# Altium PCB Archimajor.PcbDoc (part 1 of 12) (continued)
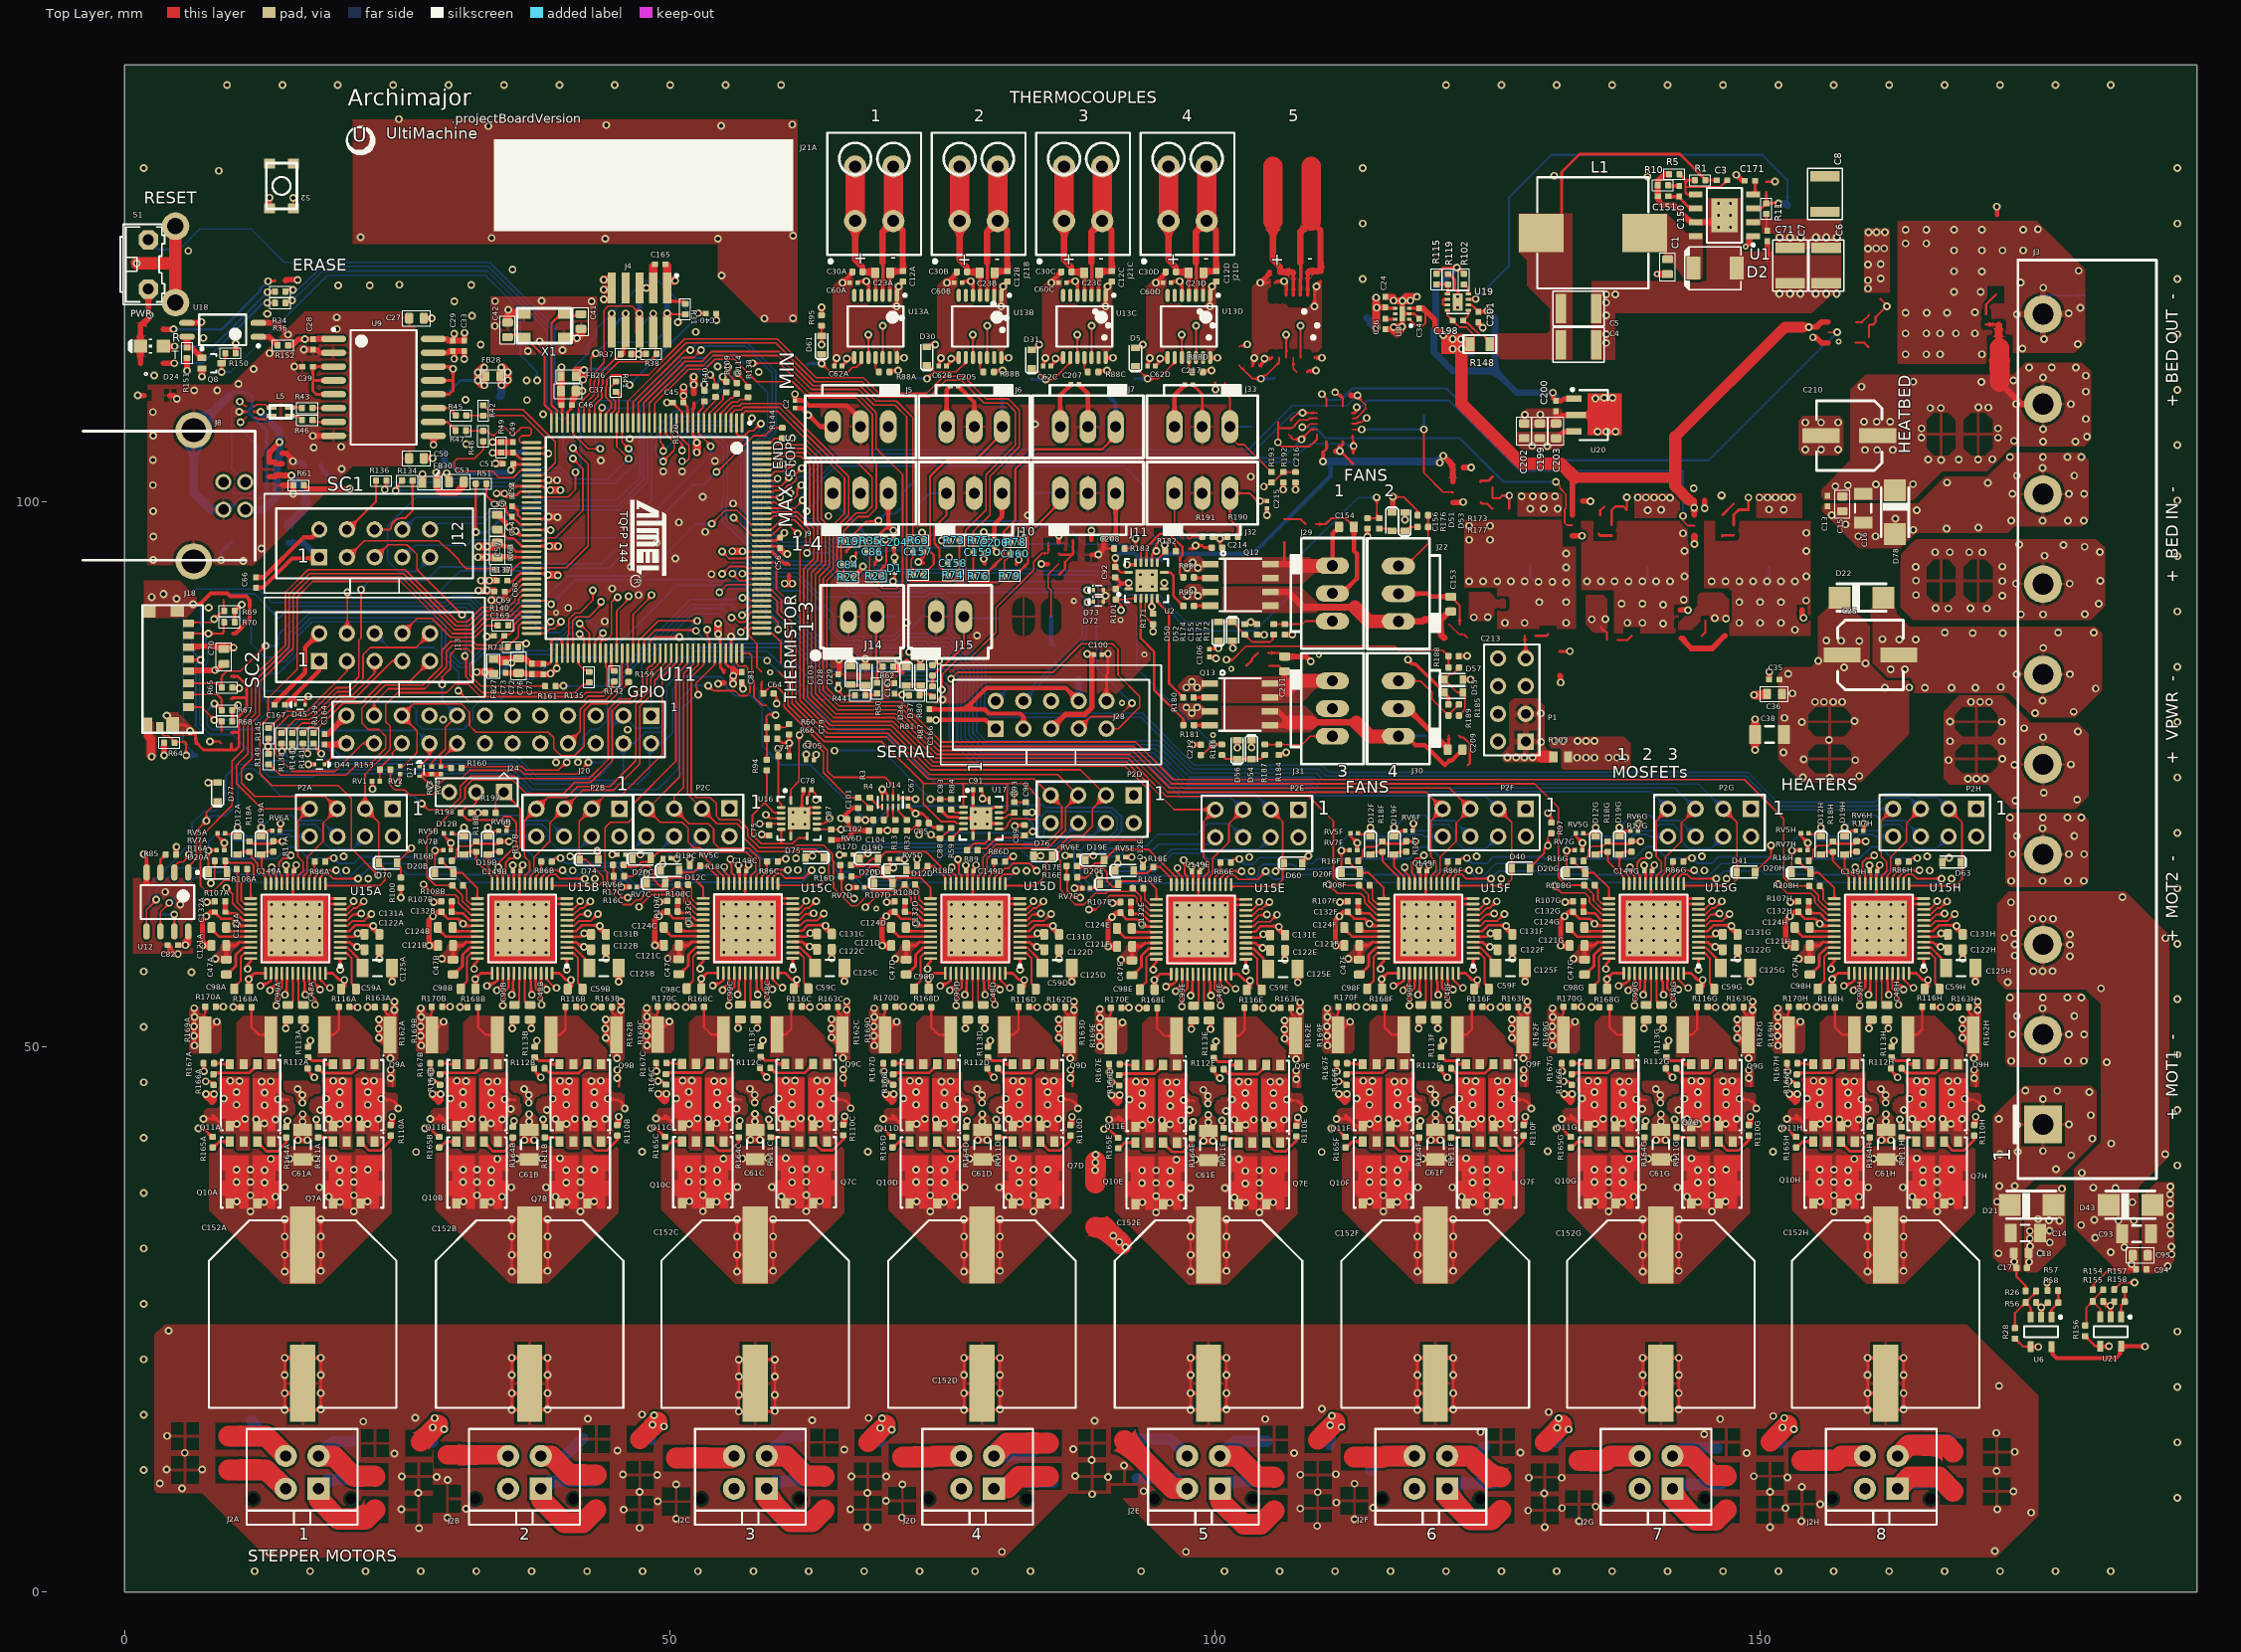
[diagram p0: Top Layer view]
## Classes and differential pairs
channel class Thermocouples: TA TB TC TD TE
component class TE: TP11E TP23E TP24E
component class TD: C12D C23D C30D C60D C62D J21D R88D TP11D TP23D TP24D U13D
component class TC: C12C C23C C30C C60C C62C J21C R88C TP11C TP23C TP24C U13C
component class TB: C12B C23B C30B C60B C62B J21B R88B TP11B TP23B TP24B U13B
component class TA: C12A C23A C30A C60A C62A J21A R88A TP11A TP23A TP24A U13A
channel class Motors: MA MB MC MD ME MF MG MH
component class MH: C47H C48H C59H C61H C98H C99H C121H C122H C124H C125H C131H C132H C149H C152H D12H D19H D20H J2H P2H Q7H Q9H Q10H Q11H R16H R17H R18H R86H R107H R108H R110H R111H R112H R113H R116H R162H R163H R164H R165H R166H R167H R168H R169H R170H RV5H RV6H RV7H TP3H TP12H TP34H TP41H U15H
component class MG: C47G C48G C59G C61G C98G C99G C121G C122G C124G C125G C131G C132G C149G C152G D12G D19G D20G J2G P2G Q7G Q9G Q10G Q11G R16G R17G R18G R86G R107G R108G R110G R111G R112G R113G R116G R162G R163G R164G R165G R166G R167G R168G R169G R170G RV5G RV6G RV7G TP3G TP12G TP34G TP41G U15G
component class MF: C47F C48F C59F C61F C98F C99F C121F C122F C124F C125F C131F C132F C149F C152F D12F D19F D20F J2F P2F Q7F Q9F Q10F Q11F R16F R17F R18F R86F R107F R108F R110F R111F R112F R113F R116F R162F R163F R164F R165F R166F R167F R168F R169F R170F RV5F RV6F RV7F TP3F TP12F TP34F TP41F U15F
component class ME: C47E C48E C59E C61E C98E C99E C121E C122E C124E C125E C131E C132E C149E C152E D12E D19E D20E J2E P2E Q7E Q9E Q10E Q11E R16E R17E R18E R86E R107E R108E R110E R111E R112E R113E R116E R162E R163E R164E R165E R166E R167E R168E R169E R170E RV5E RV6E RV7E TP3E TP12E TP34E TP41E U15E
component class MD: C47D C48D C59D C61D C98D C99D C121D C122D C124D C125D C131D C132D C149D C152D D12D D19D D20D J2D P2D Q7D Q9D Q10D Q11D R16D R17D R18D R86D R107D R108D R110D R111D R112D R113D R116D R162D R163D R164D R165D R166D R167D R168D R169D R170D RV5D RV6D RV7D TP3D TP12D TP34D TP41D U15D
component class MC: C47C C48C C59C C61C C98C C99C C121C C122C C124C C125C C131C C132C C149C C152C D12C D19C D20C J2C P2C Q7C Q9C Q10C Q11C R16C R17C R18C R86C R107C R108C R110C R111C R112C R113C R116C R162C R163C R164C R165C R166C R167C R168C R169C R170C RV5C RV6C RV7C TP3C TP12C TP34C TP41C U15C
component class MB: C47B C48B C59B C61B C98B C99B C121B C122B C124B C125B C131B C132B C149B C152B D12B D19B D20B J2B P2B Q7B Q9B Q10B Q11B R16B R17B R18B R86B R107B R108B R110B R111B R112B R113B R116B R162B R163B R164B R165B R166B R167B R168B R169B R170B RV5B RV6B RV7B TP3B TP12B TP34B TP41B U15B
component class MA: C47A C48A C59A C61A C98A C99A C121A C122A C124A C125A C131A C132A C149A C152A D12A D19A D20A J2A P2A Q7A Q9A Q10A Q11A R16A R17A R18A R86A R107A R108A R110A R111A R112A R113A R116A R162A R163A R164A R165A R166A R167A R168A R169A R170A RV5A RV6A RV7A TP3A TP12A TP34A TP41A U15A
net class "Can bus": PA0_CANTX0 PA1_CANRX0
net class SD: MCCDA MCCK MCDA0 MCDA1 MCDA2 MCDA3 SDCD
net class SPI: PA25_MISO PA26_MOSI PA27_SCLK PA29_CS SPIFLASH_CS

## Components (designator, comment, footprint, x,y, rotation, side; value= is the part's Value field where it differs from the comment)
C1 "100nF" C0603 141.479,121.523 r90 top
C2 "100nF" "C0201 Large Pads" 61.471,108.902 r270 top
C3 "10pF" C0402#1 146.466,129.448 r180 top
C4 "47uF" C1210 133.329,117.673 r180 top
C5 "47uF" C1210 133.329,114.348 r180 top
C6 "4.7uF" C1210 156.029,121.623 r90 top
C7 "4.7uF" C1210 152.704,121.623 r90 top
C8 "4.7uF" C1210 155.904,128.173 r90 top (schematic designator C6)
C12A "10nF" C0402#2 71.374,120.631 r270 top (schematic designator C12)
C12B "10nF" C0402#2 80.949,120.631 r270 top (schematic designator C12)
C12C "10nF" C0402#2 90.525,120.631 r270 top (schematic designator C12)
C12D "10nF" C0402#2 100.101,120.631 r270 top (schematic designator C12)
C13 "1nF" C0402#1 156.138,100.044 r270 top
C14 "10uF" C1206#1 174.28,32.909 r180 top
C15 "100nF" C0603 157.505,99.767 r270 top
C16 "10uF" C1206#2 159.407,99.371 r90 top
C17 "1nF" C0402#2 173.943,29.72 r0 top
C18 "100nF" C0603 173.904,31.087 r0 top
C23A "100nF" C0603 69.515,120.961 r0 top (schematic designator C23)
C23B "100nF" C0603 79.091,120.961 r0 top (schematic designator C23)
C23C "100nF" C0603 88.666,120.961 r0 top (schematic designator C23)
C23D "100nF" C0603 98.242,120.961 r0 top (schematic designator C23)
C24 "1uF" C0402#1 115.617,118.281 r90 top
C25 "UWT1V101MCL1GS" CAP-ELEC-063063077 160.081,85.918 r180 top value=100uF
C26 "100nF" C0402#1 115.592,116.275 r270 top
C27 "C0603TBD" C0603 26.772,116.803 r0 top
C28 "100nF" C0402#1 17.272,114.39 r270 top
C29 "100nF" C0402#1 30.124,114.263 r270 top
C30A "10nF" C0402#2 67.208,121.038 r0 top (schematic designator C30)
C30B "10nF" C0402#2 76.784,121.038 r0 top (schematic designator C30)
C30C "10nF" C0402#2 86.36,121.038 r0 top (schematic designator C30)
C30D "10nF" C0402#2 95.935,121.038 r0 top (schematic designator C30)
C33 "100nF" C0402#1 31.175,114.265 r270 top
C34 "1uF" C0402#1 118.716,117.24 r270 top
C35 "1nF" C0402#1 151.281,83.665 r180 top
C36 "100nF" C0603 151.281,82.341 r180 top
C37 "0603" C0603 40.694,110.111 r180 top value="10uF 6.3VDC"
C38 "10uF" C1206#2 150.829,78.627 r0 top
C39 "100nF" C0402#1 16.789,112.358 r180 top
C40 "10nF" C0402#1 53.763,117.235 r0 top
C41 "7pF" C0603 41.859,116.484 r90 top value=3pF
C42 "7pF" C0603 35.125,115.726 r270 top value=3pF
C45 "100nF" C0402#1 50.749,109.068 r180 top
C46 "100nF" C0402#1 40.564,108.852 r0 top
C47A "100nF" C0603 9.337,57.3 r90 top (schematic designator C47)
C47B "100nF" C0603 30.112,57.3 r90 top (schematic designator C47)
C47C "100nF" C0603 50.82,57.325 r90 top (schematic designator C47)
C47D "100nF" C0603 71.662,57.3 r90 top (schematic designator C47)
C47E "100nF" C0603 92.37,57.225 r90 top (schematic designator C47)
C47F "100nF" C0603 113.212,57.3 r90 top (schematic designator C47)
C47G "100nF" C0603 133.863,57.3 r90 top (schematic designator C47)
C47H "100nF" C0603 154.513,57.3 r90 top (schematic designator C47)
C48A "220nF" C0603 16.412,53.15 r270 top (schematic designator C48)
C48B "220nF" C0603 37.187,53.15 r270 top (schematic designator C48)
C48C "220nF" C0603 57.895,53.175 r270 top (schematic designator C48)
C48D "220nF" C0603 78.737,53.15 r270 top (schematic designator C48)
C48E "220nF" C0603 99.445,53.075 r270 top (schematic designator C48)
C48F "220nF" C0603 120.287,53.15 r270 top (schematic designator C48)
C48G "220nF" C0603 140.938,53.15 r270 top (schematic designator C48)
C48H "220nF" C0603 161.588,53.15 r270 top (schematic designator C48)
C49 "0402" C0402#1 35.611,104.941 r90 top value=10pF
C50 "C0603TBD" C0603 26.772,103.95 r0 top
C51 "100nF" C0402#1 35.179,103.468 r180 top
C52 "100nF" C0402#1 35.535,100.991 r270 top
C53 "0603" C0603 30.428,101.778 r0 top value="10uF 6.3VDC"
C54 "100nF" C0402#1 35.535,99.06 r90 top
C55 "0603" C0603 34.188,98.095 r270 top value=10uF
C56 "100nF" C0402#1 60.124,96.196 r90 top
C57 "0603" C0603 34.188,95.53 r90 top value="10uF 6.3VDC"
C59A "220nF" C0603 20.549,55.284 r180 top (schematic designator C59)
C59B "220nF" C0603 41.324,55.284 r180 top (schematic designator C59)
C59C "220nF" C0603 62.031,55.308 r180 top (schematic designator C59)
C59D "220nF" C0603 82.874,55.284 r180 top (schematic designator C59)
C59E "220nF" C0603 103.581,55.208 r180 top (schematic designator C59)
C59F "220nF" C0603 124.424,55.284 r180 top (schematic designator C59)
C59G "220nF" C0603 145.074,55.284 r180 top (schematic designator C59)
C59H "220nF" C0603 165.724,55.284 r180 top (schematic designator C59)
C60A "100nF" "C0201 Large Pads" 66.858,120.052 r0 top (schematic designator C60)
C60B "100nF" "C0201 Large Pads" 76.434,120.052 r0 top (schematic designator C60)
C60C "100nF" "C0201 Large Pads" 86.01,120.052 r0 top (schematic designator C60)
C60D "100nF" "C0201 Large Pads" 95.586,120.052 r0 top (schematic designator C60)
C61A "4.7uF" C1206#1 16.332,41.009 r270 top (schematic designator C61)
C61B "4.7uF" C1206#1 37.107,41.009 r270 top (schematic designator C61)
C61C "4.7uF" C1206#1 57.815,41.033 r270 top (schematic designator C61)
C61D "4.7uF" C1206#1 78.657,41.009 r270 top (schematic designator C61)
C61E "4.7uF" C1206#1 99.365,40.933 r270 top (schematic designator C61)
C61F "4.7uF" C1206#1 120.207,41.009 r270 top (schematic designator C61)
C61G "4.7uF" C1206#1 140.857,41.009 r270 top (schematic designator C61)
C61H "4.7uF" C1206#1 161.508,41.009 r270 top (schematic designator C61)
C62A "100nF" "C0201 Large Pads" 65.44,112.409 r0 top (schematic designator C62)
C62B "100nF" "C0201 Large Pads" 75.016,112.409 r0 top (schematic designator C62)
C62C "100nF" "C0201 Large Pads" 84.591,112.409 r0 top (schematic designator C62)
C62D "100nF" "C0201 Large Pads" 94.167,112.409 r0 top (schematic designator C62)
C63 "100nF" C0402#1 35.408,95.352 r270 top
C64 "TBD" C0402#2 59.043,82.384 r180 top
C66 "100nF" C0402#1 12.04,92.571 r270 top
C67 "100nF" "C0201 Large Pads" 71.843,72.409 r90 top
C68 "100nF" C0402#1 34.646,92.736 r180 top
C69 "100nF" C0402#1 34.417,91.745 r180 top
C70 "0603" C0603 9.119,85.776 r270 top value=10uF
C71 "10nF" C0402#1 150.616,124.348 r90 top
C72 "0603" C0603 36.144,84.938 r90 top value="10uF 6.3VDC"
C73 "100nF" C0402#1 34.957,84.756 r270 top
C74 "TBD" C0402#2 60.443,76.634 r0 top
C75 "TBD" C0402#2 59.118,69.834 r270 top
C76 "100nF" C0402#1 37.372,84.645 r270 top
C77 "10nF" C0402#1 38.415,84.644 r270 top
C78 "100nF" "C0201 Large Pads" 62.618,73.559 r0 top
C79 "TBD" C0402#2 60.943,79.109 r270 top
C81 "100nF" C0402#1 56.617,83.871 r270 top
C82 "100nF" C0402#1 4.456,59.316 r180 top
C83 "TBD" C0402#2 74.793,72.209 r270 top
C84 "10nF" C0402#1 66.368,94.176 r0 top
C85 "TBD" C0402#2 73.268,70.509 r180 top
C86 "10nF" C0402#1 68.593,95.384 r0 top
C87 "TBD" C0402#2 64.793,69.434 r270 top
C88 "TBD" C0402#2 74.768,69.584 r90 top
C89 "TBD" C0402#2 82.518,69.834 r90 top
C90 "TBD" C0402#2 82.643,71.934 r270 top
C91 "100nF" "C0201 Large Pads" 78.168,73.559 r0 top
C92 "100nF" C0402#2 90.843,93.509 r90 top
C93 "10uF" C1206#2 184.483,32.85 r180 top
C94 "1nF" C0402#2 184.899,29.581 r0 top
C95 "100nF" C0603 184.82,30.869 r0 top
C98A "220nF" C0603 10.737,55.3 r0 top (schematic designator C98)
C98B "220nF" C0603 31.512,55.3 r0 top (schematic designator C98)
C98C "220nF" C0603 52.22,55.325 r0 top (schematic designator C98)
C98D "220nF" C0603 73.062,55.3 r0 top (schematic designator C98)
C98E "220nF" C0603 93.77,55.225 r0 top (schematic designator C98)
C98F "220nF" C0603 114.612,55.3 r0 top (schematic designator C98)
C98G "220nF" C0603 135.263,55.3 r0 top (schematic designator C98)
C98H "220nF" C0603 155.913,55.3 r0 top (schematic designator C98)
C99A "220nF" C0603 14.987,53.15 r270 top (schematic designator C99)
C99B "220nF" C0603 35.762,53.15 r270 top (schematic designator C99)
C99C "220nF" C0603 56.47,53.175 r270 top (schematic designator C99)
C99D "220nF" C0603 77.312,53.15 r270 top (schematic designator C99)
C99E "220nF" C0603 98.02,53.075 r270 top (schematic designator C99)
C99F "220nF" C0603 118.862,53.15 r270 top (schematic designator C99)
C99G "220nF" C0603 139.513,53.15 r270 top (schematic designator C99)
C99H "220nF" C0603 160.163,53.15 r270 top (schematic designator C99)
C100 "100nF" "C0201 Large Pads" 89.249,85.959 r180 top
C101 "TBD" C0402#2 67.268,72.355 r90 top
C102 "TBD" C0402#2 66.743,70.834 r0 top
C103 "100nF" C0402#1 65.444,83.661 r90 top
C104 "TBD" C0402#2 68.743,69.809 r0 top
C105 "100nF" "C0201 Large Pads" 62.843,76.259 r0 top
C106 "100nF" "C0201 Large Pads" 99.468,86.084 r90 top
C121A "100nF" C0603 8.662,59.275 r0 top (schematic designator C121)
C121B "100nF" C0603 29.437,59.275 r0 top (schematic designator C121)
C121C "100nF" C0603 50.145,59.3 r0 top (schematic designator C121)
C121D "100nF" C0603 70.987,59.275 r0 top (schematic designator C121)
C121E "100nF" C0603 91.695,59.2 r0 top (schematic designator C121)
C121F "100nF" C0603 112.537,59.275 r0 top (schematic designator C121)
C121G "100nF" C0603 133.188,59.275 r0 top (schematic designator C121)
C121H "100nF" C0603 153.838,59.275 r0 top (schematic designator C121)
C122A "100nF" C0603 22.687,58.9 r180 top (schematic designator C122)
C122B "100nF" C0603 43.462,58.9 r180 top (schematic designator C122)
C122C "100nF" C0603 64.17,58.925 r180 top (schematic designator C122)
C122D "100nF" C0603 85.012,58.9 r180 top (schematic designator C122)
C122E "100nF" C0603 105.72,58.825 r180 top (schematic designator C122)
C122F "100nF" C0603 126.562,58.9 r180 top (schematic designator C122)
C122G "100nF" C0603 147.213,58.9 r180 top (schematic designator C122)
C122H "100nF" C0603 167.863,58.9 r180 top (schematic designator C122)
C124A "22nF" C0603 8.637,60.925 r0 top (schematic designator C124)
C124B "22nF" C0603 29.412,60.925 r0 top (schematic designator C124)
C124C "22nF" C0603 50.12,60.95 r0 top (schematic designator C124)
C124D "22nF" C0603 70.962,60.925 r0 top (schematic designator C124)
C124E "22nF" C0603 91.67,60.85 r0 top (schematic designator C124)
C124F "22nF" C0603 112.512,60.925 r0 top (schematic designator C124)
C124G "22nF" C0603 133.163,60.925 r0 top (schematic designator C124)
C124H "22nF" C0603 153.813,60.925 r0 top (schematic designator C124)
C125A "4.7uF" C1206#1 23.187,57.2 r180 top (schematic designator C125)
C125B "4.7uF" C1206#1 43.962,57.2 r180 top (schematic designator C125)
C125C "4.7uF" C1206#1 64.67,57.225 r180 top (schematic designator C125)
C125D "4.7uF" C1206#1 85.512,57.2 r180 top (schematic designator C125)
C125E "4.7uF" C1206#1 106.22,57.125 r180 top (schematic designator C125)
C125F "4.7uF" C1206#1 127.062,57.2 r180 top (schematic designator C125)
C125G "4.7uF" C1206#1 147.713,57.2 r180 top (schematic designator C125)
C125H "4.7uF" C1206#1 168.363,57.2 r180 top (schematic designator C125)
C131A "4.7uF 6.3V 0603" C0603 22.687,60.3 r180 top value=4.7uF (schematic designator C131)
C131B "4.7uF 6.3V 0603" C0603 43.462,60.3 r180 top value=4.7uF (schematic designator C131)
C131C "4.7uF 6.3V 0603" C0603 64.17,60.325 r180 top value=4.7uF (schematic designator C131)
C131D "4.7uF 6.3V 0603" C0603 85.012,60.3 r180 top value=4.7uF (schematic designator C131)
C131E "4.7uF 6.3V 0603" C0603 105.72,60.225 r180 top value=4.7uF (schematic designator C131)
C131F "4.7uF 6.3V 0603" C0603 126.562,60.3 r180 top value=4.7uF (schematic designator C131)
C131G "4.7uF 6.3V 0603" C0603 147.213,60.3 r180 top value=4.7uF (schematic designator C131)
C131H "4.7uF 6.3V 0603" C0603 167.863,60.3 r180 top value=4.7uF (schematic designator C131)
C132A "0402" C0402#1 8.763,62.345 r0 top value=470nF (schematic designator C132)
C132B "0402" C0402#2 29.534,62.37 r0 top value=470nF (schematic designator C132)
C132C "0402" C0402#2 50.242,62.394 r0 top value=470nF (schematic designator C132)
C132D "0402" C0402#2 71.084,62.37 r0 top value=470nF (schematic designator C132)
C132E "0402" C0402#2 91.792,62.294 r0 top value=470nF (schematic designator C132)
C132F "0402" C0402#2 112.634,62.37 r0 top value=470nF (schematic designator C132)
C132G "0402" C0402#2 133.285,62.37 r0 top value=470nF (schematic designator C132)
C132H "0402" C0402#2 153.935,62.37 r0 top value=470nF (schematic designator C132)
C149A "100nF" "C0201 Large Pads" 15.187,66.1 r180 top (schematic designator C149)
C149B "100nF" "C0201 Large Pads" 35.962,66.1 r180 top (schematic designator C149)
C149C "100nF" "C0201 Large Pads" 56.67,66.125 r180 top (schematic designator C149)
C149D "100nF" "C0201 Large Pads" 77.512,66.1 r180 top (schematic designator C149)
C149E "100nF" "C0201 Large Pads" 98.22,66.025 r180 top (schematic designator C149)
C149F "100nF" "C0201 Large Pads" 119.062,66.1 r180 top (schematic designator C149)
C149G "100nF" "C0201 Large Pads" 139.713,66.1 r180 top (schematic designator C149)
C149H "100nF" "C0201 Large Pads" 160.363,66.1 r180 top (schematic designator C149)
C150 "2.2nF" C0402#1 142.554,128.44 r270 top
C151 "10pF" C0402#1 141.066,127.973 r0 top value=22pF
C152A "470uF" CAP16x17 16.345,25.477 r270 top (schematic designator C152)
C152B "470uF" CAP16x17 37.155,25.477 r270 top (schematic designator C152)
C152C "470uF" CAP16x17 57.823,25.477 r270 top (schematic designator C152)
C152D "470uF" CAP16x17 78.622,25.477 r270 top (schematic designator C152)
C152E "470uF" CAP16x17 99.391,25.477 r270 top (schematic designator C152)
C152F "470uF" CAP16x17 120.18,25.477 r270 top (schematic designator C152)
C152G "470uF" CAP16x17 140.859,25.477 r270 top (schematic designator C152)
C152H "470uF" CAP16x17 161.472,25.477 r270 top (schematic designator C152)
C153 "C0603TBD" C0603 121.618,90.584 r270 top
C154 "C0603TBD" C0603 112.043,97.659 r180 top
C155 "100nF" C0402#2 103.843,88.259 r270 top
C156 "100nF" C0402#2 113.968,97.984 r270 top
C157 "10nF" C0402#1 72.764,95.379 r0 top
C158 "10nF" C0402#1 75.975,94.311 r180 top
C159 "10nF" C0402#1 78.303,95.337 r0 top
C160 "10nF" C0402#1 81.696,95.206 r0 top
C161 "100nF" C0402#1 70.6,82.83 r90 top
C164 "100nF" C0402#1 18.339,78.195 r90 top
C165 "100nF" C0402#1 49.125,121.741 r0 top
C166 "100nF" C0402#1 73.794,80.46 r270 top
C167 "100nF" C0402#1 14.225,81.331 r0 top
C169 "100nF" C0402#1 34.366,87.658 r180 top
C171 "10nF" C0402#1 149.016,129.398 r0 top
C198 "C0402TBD" C0402#1 122.249,116.574 r0 top
C199 "100nF" C0603 129.772,106.464 r90 top
C200 "100nF" C0402#1 131.224,108.748 r90 top
C201 "100nF" C0402#1 124.129,116.904 r90 top
C202 "100nF" C0603 128.324,106.464 r90 top
C203 "100nF" C0603 131.249,106.462 r90 top
C204 "100nF" "C0201 Large Pads" 70.557,96.231 r90 top
C205 "100nF" "C0201 Large Pads" 76.075,110.581 r180 top
C206 "100nF" "C0201 Large Pads" 79.757,96.181 r90 top
C207 "100nF" "C0201 Large Pads" 87.15,110.731 r180 top
C208 "100nF" "C0201 Large Pads" 90.125,96.61 r0 top
C209 "C0603TBD" C0603 121.993,77.234 r0 top
C210 "UWT1V101MCL1GS" CAP-ELEC-063063077 158.139,106.027 r0 top value=100uF
C211 "C0603TBD" C0603 106.368,85.084 r270 top
C212 "100nF" C0402#2 98.693,77.209 r90 top
C213 "100nF" C0402#2 121.868,85.809 r0 top
C214 "10nF" C0402#2 100.168,95.759 r180 top
C215 "100nF" "C0201 Large Pads" 104.743,99.692 r90 top
C216 "10nF" C0402#2 107.368,102.209 r270 top
C217 "100nF" "C0201 Large Pads" 97.593,110.709 r180 top
D1 "ESD9X3.3ST5G" SOD923-100X40-2N 70.632,93.881 r90 top value=3.3V
D2 "SK54B-LTP" SMB_DO-214AA_LRG 145.83,121.379 r0 top
D5 "BAT54" SOD523_IPC 92.69,113.234 r90 top
D12A "BAT54" SOD523_IPC 10.362,68.45 r270 top (schematic designator D12)
D12B "BAT54" SOD523_IPC 31.137,68.45 r270 top (schematic designator D12)
D12C "BAT54" SOD523_IPC 49.998,66.176 r0 top (schematic designator D12)
D12D "BAT54" SOD523_IPC 70.823,66.201 r0 top (schematic designator D12)
D12E "BAT54" SOD523_IPC 91.673,66.151 r0 top (schematic designator D12)
D12F "BAT54" SOD523_IPC 114.237,68.45 r270 top (schematic designator D12)
D12G "BAT54" SOD523_IPC 134.888,68.45 r270 top (schematic designator D12)
D12H "BAT54" SOD523_IPC 155.538,68.45 r270 top (schematic designator D12)
D19A "BAT54" SOD523_IPC 12.537,68.45 r270 top (schematic designator D19)
D19B "BAT54" SOD523_IPC 33.312,68.45 r270 top (schematic designator D19)
D19C "BAT54" SOD523_IPC 47.418,67.219 r0 top (schematic designator D19)
D19D "BAT54" SOD523_IPC 68.26,67.245 r0 top (schematic designator D19)
D19E "BAT54" SOD523_IPC 88.968,67.119 r0 top (schematic designator D19)
D19F "BAT54" SOD523_IPC 116.412,68.45 r270 top (schematic designator D19)
D19G "BAT54" SOD523_IPC 137.063,68.45 r270 top (schematic designator D19)
D19H "BAT54" SOD523_IPC 157.713,68.45 r270 top (schematic designator D19)
D20A "BAT54" SOD523_IPC 8.545,65.935 r0 top (schematic designator D20)
D20B "BAT54" SOD523_IPC 29.32,65.935 r0 top (schematic designator D20)
D20C "BAT54" SOD523_IPC 48.733,64.984 r0 top (schematic designator D20)
D20D "BAT54" SOD523_IPC 69.573,65.001 r0 top (schematic designator D20)
D20E "BAT54" SOD523_IPC 90.273,64.926 r0 top (schematic designator D20)
D20F "BAT54" SOD523_IPC 112.42,65.935 r0 top (schematic designator D20)
D20G "BAT54" SOD523_IPC 133.07,65.935 r0 top (schematic designator D20)
D20H "BAT54" SOD523_IPC 153.72,65.935 r0 top (schematic designator D20)
D21 "SMAJ24A" SMA-SM 174.835,35.485 r0 top
D22 "SMAJ24A" SMA-SM 159.25,91.175 r0 top
D24 "Red" LED2012120 2.532,114.231 r180 top
D28 "BAT54" SOD523_IPC 66.612,84.042 r270 top
D29 "BAT54" SOD523_IPC 67.984,84.017 r90 top
D30 "BAT54" SOD523_IPC 73.565,113.309 r90 top
D31 "BAT54" SOD523_IPC 83.19,113.034 r90 top
D36 "BAT54" SOD523_IPC 71.667,83.973 r270 top
D37 "BAT54" SOD523_IPC 73.013,83.973 r90 top
D40 "BAT54" SOD523_IPC 128.033,66.355 r0 top
D41 "BAT54" SOD523_IPC 148.656,66.005 r0 top
D43 "SMAJ24A" SMA-SM 183.909,35.485 r0 top
D44 "ESD9X3.3ST5G" SOD923-D 17.897,75.886 r180 top value=3.3V
D45 "DF2S6.8FS,L3M" SOD923-D 16.122,81.361 r0 top value=5V
D50 "BAT54" SOD523_IPC 100.293,88.084 r90 top
D51 "BAT54" SOD523_IPC 116.218,98.134 r270 top
D52 "BAT54" SOD523_IPC 101.593,88.084 r270 top
D53 "BAT54" SOD523_IPC 117.393,98.134 r90 top
D54 "BAT54" SOD523_IPC 103.331,77.234 r270 top
D55 "BAT54" SOD523_IPC 121.868,82.484 r0 top
D56 "BAT54" SOD523_IPC 102.028,77.234 r90 top
D57 "BAT54" SOD523_IPC 121.868,83.659 r0 top
D60 "BAT54" SOD523_IPC 107.14,66.828 r0 top
D61 "BAT54" SOD523_IPC 63.915,114.334 r90 top
D63 "BAT54" SOD523_IPC 167.518,66.91 r180 top
D70 "BAT54" SOD523_IPC 24.15,66.861 r0 top
D71 "ESD9X3.3ST5G" SOD923-100X40-2N 27.05,75.235 r270 top value=3.3V
D72 "ESD9X3.3ST5G" SOD923-100X40-2N 89.307,90.816 r0 top value=3.3V
D73 "ESD9X3.3ST5G" SOD923-100X40-2N 89.307,91.866 r0 top value=3.3V
D74 "BAT54" SOD523_IPC 42.596,67.154 r0 top
D75 "BAT54" SOD523_IPC 63.292,67.334 r180 top
D76 "BAT54" SOD523_IPC 84.193,67.509 r180 top
D77 "BAT54" SOD523_IPC 8.543,73.359 r90 top
D78 "SMAJ24A" SMA-SM 162.32,99.014 r270 top
FB26 "120R" FB0603 40.691,111.469 r0 top value=120Rfb
FB27 "120R" FB0603 33.857,84.881 r90 top value=120Rfb
FB28 "120R" FB0603 33.779,111.467 r180 top value=120Rfb
FB30 "120R" FB0603 27.997,101.691 r0 top value=120Rfb
J2A "43045-0412" 43045-0412 16.291,10.97 r180 top (schematic designator J2)
J2B "43045-0412" 43045-0412 36.675,10.97 r180 top (schematic designator J2)
J2C "43045-0412" 43045-0412 57.383,10.97 r180 top (schematic designator J2)
J2D "43045-0412" 43045-0412 78.225,10.97 r180 top (schematic designator J2)
J2E "43045-0412" 43045-0412 98.933,10.97 r180 top (schematic designator J2)
J2F "43045-0412" 43045-0412 119.775,10.97 r180 top (schematic designator J2)
J2G "43045-0412" 43045-0412 140.426,10.97 r180 top (schematic designator J2)
J2H "43045-0412" 43045-0412 161.076,10.97 r180 top (schematic designator J2)
J3 "4DB-P108-10" CON-Barrier-10-8.26mm 179.959,63.501 r90 top
J4 "0.05in 2-Row" FTSH-105-XX-X-DV 47.219,117.549 r0 top value=HDR10
J5 "Molex 70543-03" "70543-02 PIN-IN-PASTE" 67.488,106.846 r180 top locked value=HDR3
J6 "Molex 70543-03" "70543-02 PIN-IN-PASTE" 77.914,106.846 r180 top locked value=HDR3
J7 "Molex 70543-03" "70543-02 PIN-IN-PASTE" 88.341,106.846 r180 top locked value=HDR3
J8 "USB-B" PN61729 6.35,100.521 r270 top value="USB B"
J9 "Molex 70543-03" "70543-02 PIN-IN-PASTE" 67.488,100.75 r0 top locked value=HDR3
J10 "Molex 70543-03" "70543-02 PIN-IN-PASTE" 77.914,100.75 r0 top locked value=HDR3
J11 "Molex 70543-03" "70543-02 PIN-IN-PASTE" 88.341,100.75 r0 top locked value=HDR3
J12 "HDR10" "HDR2X5 IDC" 22.936,96.151 r0 top
J13 "HDR10" "HDR2X5 IDC" 22.936,86.627 r0 top
J14 "CONN 2PIN VERT 0.1\" SHRD LOCKING PIP" "70543-01 PIN-IN-PASTE" 67.64,89.421 r0 top value=HDR2
J15 "CONN 2PIN VERT 0.1\" SHRD LOCKING PIP" "70543-01 PIN-IN-PASTE" 75.692,89.421 r0 top value=HDR2
J18 "0475710001" "SD_MICRO 475710001" 4.425,84.976 r270 top value="SD Conn"
J20 "Header 12X2" HDR2X12 48.285,80.354 r180 top value=HDR24
J21A "1864286" 1864286 68.745,128.208 r0 top (schematic designator J21)
J21B "1864286" 1864286 78.321,128.208 r0 top (schematic designator J21)
J21C "1864286" 1864286 87.897,128.208 r0 top (schematic designator J21)
J21D "1864286" 1864286 97.472,128.208 r0 top (schematic designator J21)
J22 "Molex 70543-03" "70543-02 PIN-IN-PASTE" 116.8,91.535 r90 top locked value=HDR3
J24 "Header 3x1" HDR3X1 32.25,73.34 r180 top value=JMP
J28 "HDR10" "HDR2X5 IDC" 84.957,80.426 r0 top
J29 "Molex 70543-03" "70543-02 PIN-IN-PASTE" 110.75,91.56 r270 top locked value=HDR3
J30 "Molex 70543-03" "70543-02 PIN-IN-PASTE" 116.8,81 r90 top locked value=HDR3
J31 "Molex 70543-03" "70543-02 PIN-IN-PASTE" 110.75,81 r270 top locked value=HDR3
J32 "Molex 70543-03" "70543-02 PIN-IN-PASTE" 98.815,100.75 r0 top locked value=HDR3
J33 "Molex 70543-03" "70543-02 PIN-IN-PASTE" 98.815,106.846 r180 top locked value=HDR3
L1 "4.7uH" IND_10X10 134.629,124.623 r180 top
L5 "DLW21HN900SQ2L" DLW21HN900SQ2L 14.326,108.213 r180 top value=90R
P1 "Header 4X2" HDR2X4 128.475,77.98 r90 top value=HDR8
P2A "Header 4X2" HDR2X4 24.605,71.81 r180 top (schematic designator P2)
P2B "Header 4X2" HDR2X4 45.38,71.81 r180 top (schematic designator P2)
P2C "Header 4X2" HDR2X4 55.473,71.834 r180 top (schematic designator P2)
P2D "Header 4X2" HDR2X4 92.533,73.049 r180 top (schematic designator P2)
P2E "Header 4X2" HDR2X4 107.638,71.734 r180 top (schematic designator P2)
P2F "Header 4X2" HDR2X4 128.48,71.81 r180 top (schematic designator P2)
P2G "Header 4X2" HDR2X4 149.13,71.81 r180 top (schematic designator P2)
P2H "Header 4X2" HDR2X4 169.78,71.81 r180 top (schematic designator P2)
Q7A "NVMFD5C478NT1G" "SO8FL-Dual (DFN8 5x6, 1.26P Dual Flag)" 21.019,38.46 r180 top (schematic designator Q7)
Q7B "NVMFD5C478NT1G" "SO8FL-Dual (DFN8 5x6, 1.26P Dual Flag)" 41.794,38.46 r180 top (schematic designator Q7)
Q7C "NVMFD5C478NT1G" "SO8FL-Dual (DFN8 5x6, 1.26P Dual Flag)" 62.501,38.485 r180 top (schematic designator Q7)
Q7D "NVMFD5C478NT1G" "SO8FL-Dual (DFN8 5x6, 1.26P Dual Flag)" 83.344,38.46 r180 top (schematic designator Q7)
Q7E "NVMFD5C478NT1G" "SO8FL-Dual (DFN8 5x6, 1.26P Dual Flag)" 104.051,38.385 r180 top (schematic designator Q7)
Q7F "NVMFD5C478NT1G" "SO8FL-Dual (DFN8 5x6, 1.26P Dual Flag)" 124.894,38.46 r180 top (schematic designator Q7)
Q7G "NVMFD5C478NT1G" "SO8FL-Dual (DFN8 5x6, 1.26P Dual Flag)" 145.544,38.46 r180 top (schematic designator Q7)
Q7H "NVMFD5C478NT1G" "SO8FL-Dual (DFN8 5x6, 1.26P Dual Flag)" 166.194,38.46 r180 top (schematic designator Q7)
Q8 "MMBT3904" "SOT523 SMALL" 8.002,112.664 r0 top value=NPN
Q9A "NVMFD5C478NT1G" "SO8FL-Dual (DFN8 5x6, 1.26P Dual Flag)" 21.019,45.56 r180 top (schematic designator Q9)
Q9B "NVMFD5C478NT1G" "SO8FL-Dual (DFN8 5x6, 1.26P Dual Flag)" 41.794,45.56 r180 top (schematic designator Q9)
Q9C "NVMFD5C478NT1G" "SO8FL-Dual (DFN8 5x6, 1.26P Dual Flag)" 62.501,45.585 r180 top (schematic designator Q9)
Q9D "NVMFD5C478NT1G" "SO8FL-Dual (DFN8 5x6, 1.26P Dual Flag)" 83.344,45.56 r180 top (schematic designator Q9)
Q9E "NVMFD5C478NT1G" "SO8FL-Dual (DFN8 5x6, 1.26P Dual Flag)" 104.051,45.485 r180 top (schematic designator Q9)
Q9F "NVMFD5C478NT1G" "SO8FL-Dual (DFN8 5x6, 1.26P Dual Flag)" 124.894,45.56 r180 top (schematic designator Q9)
Q9G "NVMFD5C478NT1G" "SO8FL-Dual (DFN8 5x6, 1.26P Dual Flag)" 145.544,45.56 r180 top (schematic designator Q9)
Q9H "NVMFD5C478NT1G" "SO8FL-Dual (DFN8 5x6, 1.26P Dual Flag)" 166.194,45.56 r180 top (schematic designator Q9)
Q10A "NVMFD5C478NT1G" "SO8FL-Dual (DFN8 5x6, 1.26P Dual Flag)" 11.557,38.46 r180 top (schematic designator Q10)
Q10B "NVMFD5C478NT1G" "SO8FL-Dual (DFN8 5x6, 1.26P Dual Flag)" 32.332,38.46 r180 top (schematic designator Q10)
Q10C "NVMFD5C478NT1G" "SO8FL-Dual (DFN8 5x6, 1.26P Dual Flag)" 53.04,38.485 r180 top (schematic designator Q10)
Q10D "NVMFD5C478NT1G" "SO8FL-Dual (DFN8 5x6, 1.26P Dual Flag)" 73.882,38.46 r180 top (schematic designator Q10)
Q10E "NVMFD5C478NT1G" "SO8FL-Dual (DFN8 5x6, 1.26P Dual Flag)" 94.59,38.385 r180 top (schematic designator Q10)
Q10F "NVMFD5C478NT1G" "SO8FL-Dual (DFN8 5x6, 1.26P Dual Flag)" 115.432,38.46 r180 top (schematic designator Q10)
Q10G "NVMFD5C478NT1G" "SO8FL-Dual (DFN8 5x6, 1.26P Dual Flag)" 136.083,38.46 r180 top (schematic designator Q10)
Q10H "NVMFD5C478NT1G" "SO8FL-Dual (DFN8 5x6, 1.26P Dual Flag)" 156.733,38.46 r180 top (schematic designator Q10)
Q11A "NVMFD5C478NT1G" "SO8FL-Dual (DFN8 5x6, 1.26P Dual Flag)" 11.557,45.56 r180 top (schematic designator Q11)
Q11B "NVMFD5C478NT1G" "SO8FL-Dual (DFN8 5x6, 1.26P Dual Flag)" 32.332,45.56 r180 top (schematic designator Q11)
Q11C "NVMFD5C478NT1G" "SO8FL-Dual (DFN8 5x6, 1.26P Dual Flag)" 53.04,45.585 r180 top (schematic designator Q11)
Q11D "NVMFD5C478NT1G" "SO8FL-Dual (DFN8 5x6, 1.26P Dual Flag)" 73.882,45.56 r180 top (schematic designator Q11)
Q11E "NVMFD5C478NT1G" "SO8FL-Dual (DFN8 5x6, 1.26P Dual Flag)" 94.59,45.485 r180 top (schematic designator Q11)
Q11F "NVMFD5C478NT1G" "SO8FL-Dual (DFN8 5x6, 1.26P Dual Flag)" 115.432,45.56 r180 top (schematic designator Q11)
Q11G "NVMFD5C478NT1G" "SO8FL-Dual (DFN8 5x6, 1.26P Dual Flag)" 136.083,45.56 r180 top (schematic designator Q11)
Q11H "NVMFD5C478NT1G" "SO8FL-Dual (DFN8 5x6, 1.26P Dual Flag)" 156.733,45.56 r180 top (schematic designator Q11)
Q12 "NCV8402AD" NCV8402AD-SOIC8 102.313,92.336 r270 top value=NCV8402
Q13 "NCV8402AD" NCV8402AD-SOIC8 102.25,81.385 r270 top value=NCV8402
R1 "10.2k" R0402 144.466,129.448 r180 top
R3 "47R" R0402 68.343,72.359 r90 top
R4 "47R" R0402 69.148,70.784 r0 top
R5 "1.96k" R0402 142.091,129.998 r0 top
R10 "37.4k" R0402 141.055,128.974 r0 top
R11 "4.9k" R0402 150.529,126.84 r270 top
R13 "47R" R0402 70.693,70.309 r90 top
R16A "4.7k" R0402 8.755,67.035 r180 top (schematic designator R16)
R16B "4.7k" R0402 29.53,67.035 r0 top (schematic designator R16)
R16C "4.7k" R0402 45.333,65.633 r180 top (schematic designator R16)
R16D "4.7k" R0402 66.175,65.608 r180 top (schematic designator R16)
R16E "4.7k" R0402 86.883,65.533 r180 top (schematic designator R16)
R16F "4.7k" R0402 112.63,67.035 r0 top (schematic designator R16)
R16G "4.7k" R0402 133.28,67.035 r0 top (schematic designator R16)
R16H "4.7k" R0402 153.93,67.035 r0 top (schematic designator R16)
R17A "R0402TBD" R0402 13.637,68.365 r270 top (schematic designator R17)
R17B "R0402TBD" R0402 34.412,68.365 r270 top (schematic designator R17)
R17C "R0402TBD" R0402 45.268,66.669 r0 top (schematic designator R17)
R17D "R0402TBD" R0402 66.11,66.645 r0 top (schematic designator R17)
R17E "R0402TBD" R0402 86.853,66.569 r0 top (schematic designator R17)
R17F "R0402TBD" R0402 117.512,68.365 r270 top (schematic designator R17)
R17G "R0402TBD" R0402 138.163,68.365 r270 top (schematic designator R17)
R17H "R0402TBD" R0402 158.813,68.365 r270 top (schematic designator R17)
R18A "4.7k" R0402 11.462,68.35 r90 top (schematic designator R18)
R18B "4.7k" R0402 32.237,68.35 r90 top (schematic designator R18)
R18C "4.7k" R0402 52.308,66.584 r180 top (schematic designator R18)
R18D "4.7k" R0402 73.15,66.56 r180 top (schematic designator R18)
R18E "4.7k" R0402 93.858,66.484 r180 top (schematic designator R18)
R18F "4.7k" R0402 115.337,68.35 r90 top (schematic designator R18)
R18G "4.7k" R0402 135.988,68.35 r90 top (schematic designator R18)
R18H "4.7k" R0402 156.638,68.35 r90 top (schematic designator R18)
R19 "1k" R0402 66.418,96.334 r0 top
R22 "49K" R0402 66.339,93.054 r0 top
R23 "1k" R0402 68.918,93.134 r0 top
R26 "24K" R0402 174.795,27.6 r0 top
R28 "1M" R0402 173.329,23.717 r90 top
R31 "100K" R0402 51.423,117.639 r90 top
R32 "47R" R0402 71.743,70.309 r90 top
R34 "1K" R0402 14.279,119.241 r180 top value=1k
R35 "49K" R0402 68.414,96.396 r0 top
R36 "1K" R0402 14.278,118.198 r180 top value=1k
R37 "100K" R0402 45.974,113.51 r0 top
R38 "100K" R0402 48.311,113.535 r180 top
R40 "1k" R0402 53.188,109.652 r270 top
R41 "1k" R0402 45.062,110.526 r90 top
R42 "24r" R0402 32.893,108.344 r270 top value=24R
R43 "24r" R0402 16.764,108.573 r180 top value=24R
R44 "2k37" R0402 67.45,82.2 r0 top
R45 "24r" R0402 30.861,107.887 r180 top value=24R
R46 "24r" R0402 16.764,107.455 r180 top value=24R
R47 "24r" R0402 30.836,106.49 r180 top value=24R
R48 "24r" R0402 32.893,105.982 r90 top value=24R
R49 "6.8K" R0402 34.544,104.966 r270 top
R50 "2k37" R0402 69,82.871 r90 top
R51 "100K" R0402 32.69,101.613 r0 top
R56 "10K" R0402 174.794,26.548 r180 top
R57 "130k" R0402 176.796,27.639 r180 top
R58 "100K" R0402 176.819,26.523 r0 top
R59 "47R" R0402 75.8,69.58 r270 top
R60 "R0402TBD" R0402 59.368,79.284 r180 top
R61 "R0402TBD" R0402TBD 15.984,101.48 r180 top value=1M
R62 "10k" R0402 69.993,84.859 r0 top
R63 "49K" R0402 72.768,96.429 r0 top
R64 "10K" R0402 4.107,77.881 r180 top
R65 "10K" R0402 9.398,82.931 r180 top
R66 "10K" R0402 59.368,78.234 r180 top
R67 "10K" R0402 9.398,80.848 r0 top
R68 "10K" R0402 9.398,79.832 r0 top
R69 "10K" R0402 9.627,89.967 r180 top
R70 "10K" R0402 9.627,88.926 r180 top
R71 "1k" R0402 35.612,86.656 r180 top
R72 "4.9k" R0402 72.765,93.286 r0 top
R73 "49K" R0402 76.072,96.421 r180 top
R74 "4.9k" R0402 75.982,93.256 r180 top
R75 "49k" R0402 78.302,96.412 r0 top
R76 "1k" R0402 78.292,93.167 r0 top
R78 "49K" R0402 81.699,96.258 r0 top
R79 "1k" R0402 81.164,93.167 r0 top
R80 "10k" R0402 74.082,84.506 r90 top
R81 "2k37" R0402 72.407,82.206 r0 top
R84 "47R" R0402 75.8,72.21 r270 top
R85 "10K" R0402 4.257,67.62 r0 top
R86A "47R" R0402 17.925,66.96 r180 top (schematic designator R86)
R86B "47R" R0402 38.7,66.96 r180 top (schematic designator R86)
R86C "47R" R0402 59.408,66.984 r180 top (schematic designator R86)
R86D "47R" R0402 80.25,66.96 r180 top (schematic designator R86)
R86E "47R" R0402 100.958,66.884 r180 top (schematic designator R86)
R86F "47R" R0402 121.8,66.96 r180 top (schematic designator R86)
R86G "47R" R0402 142.45,66.96 r180 top (schematic designator R86)
R86H "47R" R0402 163.1,66.96 r180 top (schematic designator R86)
R87 "2k37" R0402 74.087,82.56 r90 top
R88A "47R" R0402 69.657,111.859 r0 top (schematic designator R88)
R88B "47R" R0402 79.233,111.859 r0 top (schematic designator R88)
R88C "47R" R0402 88.809,111.859 r0 top (schematic designator R88)
R88D "47R" R0402 98.385,111.859 r0 top (schematic designator R88)
R89 "47R" R0402 77.736,68.016 r180 top
R93 "47R" R0402 81.593,71.934 r270 top
R94 "47R" R0402 58.893,75.829 r270 top
R95 "4.9k" R0402 63.915,116.584 r270 top
R97 "10K" R0402 130.818,70.059 r270 top
R98 "100R" R0402 97.568,93.034 r0 top
R99 "100R" R0402 97.568,90.409 r0 top
R100 "10K" R0402 25.343,65.034 r90 top
R101 "10K" R0402 90.875,91.481 r90 top
R102 "1k" R0402 122.821,120.384 r90 top
R103 "0R" R0603 131.693,76.584 r180 top
R107A "2.2R" R0402 8.763,63.336 r180 top (schematic designator R107)
R107B "2.2R" R0402 29.538,63.336 r180 top (schematic designator R107)
R107C "2.2R" R0402 50.246,63.36 r180 top (schematic designator R107)
R107D "2.2R" R0402 71.088,63.336 r180 top (schematic designator R107)
R107E "2.2R" R0402 91.796,63.26 r180 top (schematic designator R107)
R107F "2.2R" R0402 112.638,63.336 r180 top (schematic designator R107)
R107G "2.2R" R0402 133.288,63.336 r180 top (schematic designator R107)
R107H "2.2R" R0402 153.938,63.336 r180 top (schematic designator R107)
R108A "1k" R0402 10.773,66.276 r180 top (schematic designator R108)
R108B "1k" R0402 30.548,64.776 r180 top (schematic designator R108)
R108C "1k" R0402 51.198,64.851 r180 top (schematic designator R108)
R108D "1k" R0402 71.998,64.876 r180 top (schematic designator R108)
R108E "1k" R0402 92.923,64.526 r180 top (schematic designator R108)
R108F "1k" R0402 113.673,64.801 r180 top (schematic designator R108)
R108G "1k" R0402 134.323,64.801 r180 top (schematic designator R108)
R108H "1k" R0402 154.948,64.726 r180 top (schematic designator R108)
R109 "100R" R0402 55.194,110.49 r90 top
R110A "10R" R0402 24.409,42.33 r270 top (schematic designator R110)
R110B "10R" R0402 45.184,42.33 r270 top (schematic designator R110)
R110C "10R" R0402 65.892,42.354 r270 top (schematic designator R110)
R110D "10R" R0402 86.734,42.33 r270 top (schematic designator R110)
R110E "10R" R0402 107.442,42.254 r270 top (schematic designator R110)
R110F "10R" R0402 128.284,42.33 r270 top (schematic designator R110)
R110G "10R" R0402 148.935,42.33 r270 top (schematic designator R110)
R110H "10R" R0402 169.585,42.33 r270 top (schematic designator R110)
R111A "10R" R0402 17.755,42.152 r90 top (schematic designator R111)
R111B "10R" R0402 38.53,42.152 r90 top (schematic designator R111)
R111C "10R" R0402 59.237,42.176 r90 top (schematic designator R111)
R111D "10R" R0402 80.08,42.152 r90 top (schematic designator R111)
R111E "10R" R0402 100.787,42.076 r90 top (schematic designator R111)
R111F "10R" R0402 121.63,42.152 r90 top (schematic designator R111)
R111G "10R" R0402 142.28,42.152 r90 top (schematic designator R111)
R111H "10R" R0402 162.93,42.152 r90 top (schematic designator R111)
R112A "10R" R0402 17.272,48.019 r0 top (schematic designator R112)
R112B "10R" R0402 38.047,48.019 r0 top (schematic designator R112)
R112C "10R" R0402 58.755,48.044 r0 top (schematic designator R112)
R112D "10R" R0402 79.597,48.019 r0 top (schematic designator R112)
R112E "10R" R0402 100.305,47.944 r0 top (schematic designator R112)
R112F "10R" R0402 121.147,48.019 r0 top (schematic designator R112)
R112G "10R" R0402 141.797,48.019 r0 top (schematic designator R112)
R112H "10R" R0402 162.447,48.019 r0 top (schematic designator R112)
R113A "10R" R0402 16.84,49.518 r90 top (schematic designator R113)
R113B "10R" R0402 37.615,49.518 r90 top (schematic designator R113)
R113C "10R" R0402 58.323,49.542 r90 top (schematic designator R113)
R113D "10R" R0402 79.165,49.518 r90 top (schematic designator R113)
R113E "10R" R0402 99.873,49.442 r90 top (schematic designator R113)
R113F "10R" R0402 120.715,49.518 r90 top (schematic designator R113)
R113G "10R" R0402 141.365,49.518 r90 top (schematic designator R113)
R113H "10R" R0402 162.016,49.518 r90 top (schematic designator R113)
R114 "100R" R0402 56.134,110.363 r270 top
R115 "15K" R0402 120.306,120.384 r90 top
R116A "47R" R0402 20.142,53.658 r180 top (schematic designator R116)
R116B "47R" R0402 40.917,53.658 r180 top (schematic designator R116)
R116C "47R" R0402 61.625,53.683 r180 top (schematic designator R116)
R116D "47R" R0402 82.467,53.658 r180 top (schematic designator R116)